# Altium PCB Slave.PcbDoc (part 2 of 11)
Units mm, origin at the board's own origin, x right, y up, seen from the top; angles counter-clockwise.
Board outline 380 x 63 mm, 4 copper layers (Top Copper, Signal Layer 1, Signal Layer 2, Bottom Copper), stack 1.586 mm thick; 256 components, 191 nets, 731 pads, 24161 vias.
Unrouted connection lines stored in the file: 14.
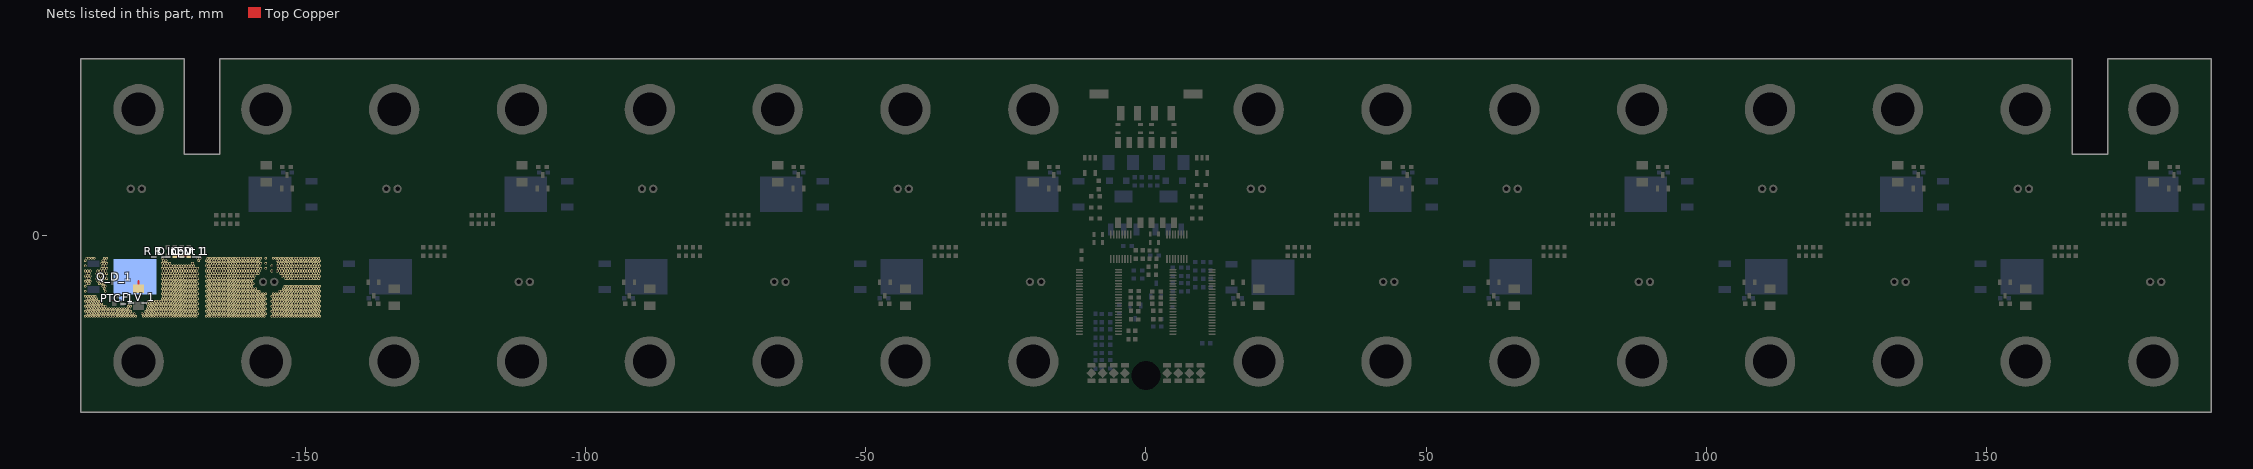
[diagram p4: the nets of this part, all layers, seen from the top]

## Via types
v1: diameter 0.45, hole 0.297, Top Copper to Bottom Copper, tented both sides, 23326 vias
v2: diameter 1, hole 0.7, Top Copper to Bottom Copper, 576 vias
v3: diameter 0.45, hole 0.2, Top Copper to Bottom Copper, 259 vias

## Nets (pads, with @x,y where several pads share a name; then routed paths per layer and width w, separated by ;. In a path a pad name is that pad's centre, name@x,y a point inside that pad or via, vN(x,y) a via of type N, cw(c..) or ccw(c..) an arc to the next point about the centre after c; other vN are vias at no path point) (continued)
F_1: C_V_1.2 F_V_1.2 PTC_1.2 Q_D_1.2 R_D_LED_1.2 R_Input_1.1 | length 3.9
  Top Copper w0.254: R_D_LED_1.2@-173.25,-3.6 R_Input_1.1@-172,-3.6 C_V_1.2@-170.75,-3.6
  Top Copper w0.305: -179.725,-8.1 -179.725,-9.48 F_V_1.2@-179.7,-9.505
  other v1: -189.2,-14.45 -189.2,-14.45 -188.75,-14.45 -188.75,-14.45 -188.3,-14.45 -188.3,-14.45 -187.85,-14.45 -187.85,-14.45 -187.4,-14.45 -187.4,-14.45 -186.95,-14.45 -186.95,-14.45 -186.5,-14.45 -186.5,-14.45 -186.05,-14.45 -186.05,-14.45 -185.6,-14.45 -185.6,-14.45 -185.15,-14.45 -185.15,-14.45 -184.7,-14.45 -184.7,-14.45 -184.25,-14.45 -184.25,-14.45 -183.8,-14.45 -183.8,-14.45 -183.35,-14.45 -183.35,-14.45 -182.9,-14.45 -182.9,-14.45 -182.45,-14.45 -182.45,-14.45 -182,-14.45 -182,-14.45 -181.55,-14.45 -181.55,-14.45 -181.1,-14.45 -181.1,-14.45 -180.65,-14.45 -180.65,-14.45 -180.2,-14.45 -180.2,-14.45 -178.85,-14.45 -178.85,-14.45 -178.4,-14.45 -178.4,-14.45 -177.95,-14.45 -177.95,-14.45 -177.5,-14.45 -177.5,-14.45 -177.05,-14.45 -177.05,-14.45 -176.6,-14.45 -176.6,-14.45 -176.15,-14.45 -176.15,-14.45 -175.7,-14.45 -175.7,-14.45 -175.25,-14.45 -175.25,-14.45 -174.8,-14.45 -174.8,-14.45 -174.35,-14.45 -174.35,-14.45 -173.9,-14.45 -173.9,-14.45 -173.45,-14.45 -173.45,-14.45 -173,-14.45 -173,-14.45 -172.55,-14.45 -172.55,-14.45 -172.1,-14.45 -172.1,-14.45 -171.65,-14.45 -171.65,-14.45 -171.2,-14.45 -171.2,-14.45 -170.75,-14.45 -170.75,-14.45 -170.3,-14.45 -170.3,-14.45 -169.85,-14.45 -169.85,-14.45 -169.4,-14.45 -169.4,-14.45 -167.6,-14.45 -167.6,-14.45 -167.15,-14.45 -167.15,-14.45 -166.7,-14.45 -166.7,-14.45 -166.25,-14.45 -166.25,-14.45 -165.8,-14.45 -165.8,-14.45 -165.35,-14.45 -165.35,-14.45 -164.9,-14.45 -164.9,-14.45 -164.45,-14.45 -164.45,-14.45 -164,-14.45 -164,-14.45 -163.55,-14.45 -163.55,-14.45 -163.1,-14.45 -163.1,-14.45 -162.65,-14.45 -162.65,-14.45 -162.2,-14.45 -162.2,-14.45 -161.75,-14.45 -161.75,-14.45 -161.3,-14.45 -161.3,-14.45 -160.85,-14.45 -160.85,-14.45 -160.4,-14.45 -160.4,-14.45 -159.95,-14.45 -159.95,-14.45 -159.5,-14.45 -159.5,-14.45 -159.05,-14.45 -159.05,-14.45 -158.6,-14.45 -158.6,-14.45 -158.15,-14.45 -158.15,-14.45 -157.7,-14.45 -157.7,-14.45 -157.25,-14.45 -157.25,-14.45 -155.9,-14.45 -155.9,-14.45 -155.45,-14.45 -155.45,-14.45 -155,-14.45 -155,-14.45 -154.55,-14.45 -154.55,-14.45 -154.1,-14.45 -154.1,-14.45 -153.65,-14.45 -153.65,-14.45 -153.2,-14.45 -153.2,-14.45 -152.75,-14.45 -152.75,-14.45 -152.3,-14.45 -152.3,-14.45 -151.85,-14.45 -151.85,-14.45 -151.4,-14.45 -151.4,-14.45 -150.95,-14.45 -150.95,-14.45 -150.5,-14.45 -150.5,-14.45 -150.05,-14.45 -150.05,-14.45 -149.6,-14.45 -149.6,-14.45 -149.15,-14.45 -149.15,-14.45 -148.7,-14.45 -148.7,-14.45 -148.25,-14.45 -148.25,-14.45 -147.8,-14.45 -147.8,-14.45 -147.35,-14.45 -147.35,-14.45 -188.975,-14 -188.975,-14 -188.525,-14 -188.525,-14 -188.075,-14 -188.075,-14 -187.625,-14 -187.625,-14 -187.175,-14 -187.175,-14 -186.725,-14 -186.725,-14 -186.275,-14 -186.275,-14 -185.825,-14 -185.825,-14 -185.375,-14 -185.375,-14 -184.925,-14 -184.925,-14 -184.475,-14 -184.475,-14 -184.025,-14 -184.025,-14 -183.575,-14 -183.575,-14 -183.125,-14 -183.125,-14 -182.675,-14 -182.675,-14 -182.225,-14 -182.225,-14 -181.775,-14 -181.775,-14 -181.325,-14 -181.325,-14 -180.875,-14 -180.875,-14 -180.425,-14 -180.425,-14 -179.075,-14 -179.075,-14 -178.625,-14 -178.625,-14 -178.175,-14 -178.175,-14 -177.725,-14 -177.725,-14 -177.275,-14 -177.275,-14 -176.825,-14 -176.825,-14 -176.375,-14 -176.375,-14 -175.925,-14 -175.925,-14 -175.475,-14 -175.475,-14 -175.025,-14 -175.025,-14 -174.575,-14 -174.575,-14 -174.125,-14 -174.125,-14 -173.675,-14 -173.675,-14 -173.225,-14 -173.225,-14 -172.775,-14 -172.775,-14 -172.325,-14 -172.325,-14 -171.875,-14 -171.875,-14 -171.425,-14 -171.425,-14 -170.975,-14 -170.975,-14 -170.525,-14 -170.525,-14 -170.075,-14 -170.075,-14 -169.625,-14 -169.625,-14 -169.175,-14 -169.175,-14 -167.375,-14 -167.375,-14 -166.925,-14 -166.925,-14 -166.475,-14 -166.475,-14 -166.025,-14 -166.025,-14 -165.575,-14 -165.575,-14 -165.125,-14 -165.125,-14 -164.675,-14 -164.675,-14 -164.225,-14 -164.225,-14 -163.775,-14 -163.775,-14 -163.325,-14 -163.325,-14 -162.875,-14 -162.875,-14 -162.425,-14 -162.425,-14 -161.975,-14 -161.975,-14 -161.525,-14 -161.525,-14 -161.075,-14 -161.075,-14 -160.625,-14 -160.625,-14 -160.175,-14 -160.175,-14 -159.725,-14 -159.725,-14 -159.275,-14 -159.275,-14 -158.825,-14 -158.825,-14 -158.375,-14 -158.375,-14 -157.925,-14 -157.925,-14 -157.475,-14 -157.475,-14 -157.025,-14 -157.025,-14 -155.675,-14 -155.675,-14 -155.225,-14 -155.225,-14 -154.775,-14 -154.775,-14 -154.325,-14 -154.325,-14 -153.875,-14 -153.875,-14 -153.425,-14 -153.425,-14 -152.975,-14 -152.975,-14 -152.525,-14 -152.525,-14 -152.075,-14 -152.075,-14 -151.625,-14 -151.625,-14 -151.175,-14 -151.175,-14 -150.725,-14 -150.725,-14 -150.275,-14 -150.275,-14 -149.825,-14 -149.825,-14 -149.375,-14 -149.375,-14 -148.925,-14 -148.925,-14 -148.475,-14 -148.475,-14 -148.025,-14 -148.025,-14 -147.575,-14 -147.575,-14 -189.2,-13.55 -189.2,-13.55 -188.75,-13.55 -188.75,-13.55 -188.3,-13.55 -188.3,-13.55 -187.85,-13.55 -187.85,-13.55 -187.4,-13.55 -187.4,-13.55 -186.95,-13.55 -186.95,-13.55 -186.5,-13.55 -186.5,-13.55 -186.05,-13.55 -186.05,-13.55 -185.6,-13.55 -185.6,-13.55 -185.15,-13.55 -185.15,-13.55 -184.7,-13.55 -184.7,-13.55 -184.25,-13.55 -184.25,-13.55 -183.8,-13.55 -183.8,-13.55 -183.35,-13.55 -183.35,-13.55 -182.9,-13.55 -182.9,-13.55 -182.45,-13.55 -182.45,-13.55 -182,-13.55 -182,-13.55 -181.55,-13.55 -181.55,-13.55 -181.1,-13.55 -181.1,-13.55 -178.4,-13.55 -178.4,-13.55 -177.95,-13.55 -177.95,-13.55 -177.5,-13.55 -177.5,-13.55 -177.05,-13.55 -177.05,-13.55 -176.6,-13.55 -176.6,-13.55 -176.15,-13.55 -176.15,-13.55 -175.7,-13.55 -175.7,-13.55 -175.25,-13.55 -175.25,-13.55 -174.8,-13.55 -174.8,-13.55 -174.35,-13.55 -174.35,-13.55 -173.9,-13.55 -173.9,-13.55 -173.45,-13.55 -173.45,-13.55 -173,-13.55 -173,-13.55 -172.55,-13.55 -172.55,-13.55 -172.1,-13.55 -172.1,-13.55 -171.65,-13.55 -171.65,-13.55 -171.2,-13.55 -171.2,-13.55 -170.75,-13.55 -170.75,-13.55 -170.3,-13.55 -170.3,-13.55 -169.85,-13.55 -169.85,-13.55 -169.4,-13.55 -169.4,-13.55 -167.6,-13.55 -167.6,-13.55 -167.15,-13.55 -167.15,-13.55 -166.7,-13.55 -166.7,-13.55 -166.25,-13.55 -166.25,-13.55 -165.8,-13.55 -165.8,-13.55 -165.35,-13.55 -165.35,-13.55 -164.9,-13.55 -164.9,-13.55 -164.45,-13.55 -164.45,-13.55 -164,-13.55 -164,-13.55 -163.55,-13.55 -163.55,-13.55 -163.1,-13.55 -163.1,-13.55 -162.65,-13.55 -162.65,-13.55 -162.2,-13.55 -162.2,-13.55 -161.75,-13.55 -161.75,-13.55 -161.3,-13.55 -161.3,-13.55 -160.85,-13.55 -160.85,-13.55 -160.4,-13.55 -160.4,-13.55 -159.95,-13.55 -159.95,-13.55 -159.5,-13.55 -159.5,-13.55 -159.05,-13.55 -159.05,-13.55 -158.6,-13.55 -158.6,-13.55 -158.15,-13.55 -158.15,-13.55 -157.7,-13.55 -157.7,-13.55 -157.25,-13.55 -157.25,-13.55 -155.9,-13.55 -155.9,-13.55 -155.45,-13.55 -155.45,-13.55 -155,-13.55 -155,-13.55 -154.55,-13.55 -154.55,-13.55 -154.1,-13.55 -154.1,-13.55 -153.65,-13.55 -153.65,-13.55 -153.2,-13.55 -153.2,-13.55 -152.75,-13.55 -152.75,-13.55 -152.3,-13.55 -152.3,-13.55 -151.85,-13.55 -151.85,-13.55 -151.4,-13.55 -151.4,-13.55 -150.95,-13.55 -150.95,-13.55 -150.5,-13.55 -150.5,-13.55 -150.05,-13.55 -150.05,-13.55 -149.6,-13.55 -149.6,-13.55 -149.15,-13.55 -149.15,-13.55 -148.7,-13.55 -148.7,-13.55 -148.25,-13.55 -148.25,-13.55 -147.8,-13.55 -147.8,-13.55 -147.35,-13.55 -147.35,-13.55 -188.975,-13.1 -188.975,-13.1 -188.525,-13.1 -188.525,-13.1 -188.075,-13.1 -188.075,-13.1 -187.625,-13.1 -187.625,-13.1 -187.175,-13.1 -187.175,-13.1 -186.725,-13.1 -186.725,-13.1 -186.275,-13.1 -186.275,-13.1 -185.825,-13.1 -185.825,-13.1 -185.375,-13.1 -185.375,-13.1 -184.925,-13.1 -184.925,-13.1 -184.475,-13.1 -184.475,-13.1 -184.025,-13.1 -184.025,-13.1 -183.575,-13.1 -183.575,-13.1 -183.125,-13.1 -183.125,-13.1 -182.675,-13.1 -182.675,-13.1 -182.225,-13.1 -182.225,-13.1 -181.775,-13.1 -181.775,-13.1 -181.325,-13.1 -181.325,-13.1 -178.175,-13.1 -178.175,-13.1 -177.725,-13.1 -177.725,-13.1 -177.275,-13.1 -177.275,-13.1 -176.825,-13.1 -176.825,-13.1 -176.375,-13.1 -176.375,-13.1 -175.925,-13.1 -175.925,-13.1 -175.475,-13.1 -175.475,-13.1 -175.025,-13.1 -175.025,-13.1 -174.575,-13.1 -174.575,-13.1 -174.125,-13.1 -174.125,-13.1 -173.675,-13.1 -173.675,-13.1 -173.225,-13.1 -173.225,-13.1 -172.775,-13.1 -172.775,-13.1 -172.325,-13.1 -172.325,-13.1 -171.875,-13.1 -171.875,-13.1 -171.425,-13.1 -171.425,-13.1 -170.975,-13.1 -170.975,-13.1 -170.525,-13.1 -170.525,-13.1 -170.075,-13.1 -170.075,-13.1 -169.625,-13.1 -169.625,-13.1 -169.175,-13.1 -169.175,-13.1 -167.375,-13.1 -167.375,-13.1 -166.925,-13.1 -166.925,-13.1 -166.475,-13.1 -166.475,-13.1 -166.025,-13.1 -166.025,-13.1 -165.575,-13.1 -165.575,-13.1 -165.125,-13.1 -165.125,-13.1 -164.675,-13.1 -164.675,-13.1 -164.225,-13.1 -164.225,-13.1 -163.775,-13.1 -163.775,-13.1 -163.325,-13.1 -163.325,-13.1 -162.875,-13.1 -162.875,-13.1 -162.425,-13.1 -162.425,-13.1 -161.975,-13.1 -161.975,-13.1 -161.525,-13.1 -161.525,-13.1 -161.075,-13.1 -161.075,-13.1 -160.625,-13.1 -160.625,-13.1 -160.175,-13.1 -160.175,-13.1 -159.725,-13.1 -159.725,-13.1 -159.275,-13.1 -159.275,-13.1 -158.825,-13.1 -158.825,-13.1 -158.375,-13.1 -158.375,-13.1 -157.925,-13.1 -157.925,-13.1 -157.475,-13.1 -157.475,-13.1 -157.025,-13.1 -157.025,-13.1 -155.675,-13.1 -155.675,-13.1 -155.225,-13.1 -155.225,-13.1 -154.775,-13.1 -154.775,-13.1 -154.325,-13.1 -154.325,-13.1 -153.875,-13.1 -153.875,-13.1 -153.425,-13.1 -153.425,-13.1 -152.975,-13.1 -152.975,-13.1 -152.525,-13.1 -152.525,-13.1 -152.075,-13.1 -152.075,-13.1 -151.625,-13.1 -151.625,-13.1 -151.175,-13.1 -151.175,-13.1 -150.725,-13.1 -150.725,-13.1 -150.275,-13.1 -150.275,-13.1 -149.825,-13.1 -149.825,-13.1 -149.375,-13.1 -149.375,-13.1 -148.925,-13.1 -148.925,-13.1 -148.475,-13.1 -148.475,-13.1 -148.025,-13.1 -148.025,-13.1 -147.575,-13.1 -147.575,-13.1 -189.2,-12.65 -189.2,-12.65 -188.75,-12.65 -188.75,-12.65 -188.3,-12.65 -188.3,-12.65 -187.85,-12.65 -187.85,-12.65 -187.4,-12.65 -187.4,-12.65 -186.95,-12.65 -186.95,-12.65 -186.5,-12.65 -186.5,-12.65 -186.05,-12.65 -186.05,-12.65 -185.6,-12.65 -185.6,-12.65 -181.55,-12.65 -181.55,-12.65 -181.1,-12.65 -181.1,-12.65 -177.95,-12.65 -177.95,-12.65 -177.5,-12.65 -177.5,-12.65 -177.05,-12.65 -177.05,-12.65 -176.6,-12.65 -176.6,-12.65 -176.15,-12.65 -176.15,-12.65 -175.7,-12.65 -175.7,-12.65 -175.25,-12.65 -175.25,-12.65 -174.8,-12.65 -174.8,-12.65 -174.35,-12.65 -174.35,-12.65 -173.9,-12.65 -173.9,-12.65 -173.45,-12.65 -173.45,-12.65 -173,-12.65 -173,-12.65 -172.55,-12.65 -172.55,-12.65 -172.1,-12.65 -172.1,-12.65 -171.65,-12.65 -171.65,-12.65 -171.2,-12.65 -171.2,-12.65 -170.75,-12.65 -170.75,-12.65 -170.3,-12.65 -170.3,-12.65 -169.85,-12.65 -169.85,-12.65 -169.4,-12.65 -169.4,-12.65 -167.6,-12.65 -167.6,-12.65 -167.15,-12.65 -167.15,-12.65 -166.7,-12.65 -166.7,-12.65 -166.25,-12.65 -166.25,-12.65 -165.8,-12.65 -165.8,-12.65 -165.35,-12.65 -165.35,-12.65 -164.9,-12.65 -164.9,-12.65 -164.45,-12.65 -164.45,-12.65 -164,-12.65 -164,-12.65 -163.55,-12.65 -163.55,-12.65 -163.1,-12.65 -163.1,-12.65 -162.65,-12.65 -162.65,-12.65 -162.2,-12.65 -162.2,-12.65 -161.75,-12.65 -161.75,-12.65 -161.3,-12.65 -161.3,-12.65 -160.85,-12.65 -160.85,-12.65 -160.4,-12.65 -160.4,-12.65 -159.95,-12.65 -159.95,-12.65 -159.5,-12.65 -159.5,-12.65 -159.05,-12.65 -159.05,-12.65 -158.6,-12.65 -158.6,-12.65 -158.15,-12.65 -158.15,-12.65 -157.7,-12.65 -157.7,-12.65 -157.25,-12.65 -157.25,-12.65 -155.9,-12.65 -155.9,-12.65 -155.45,-12.65 -155.45,-12.65 -155,-12.65 -155,-12.65 -154.55,-12.65 -154.55,-12.65 -154.1,-12.65 -154.1,-12.65 -153.65,-12.65 -153.65,-12.65 -153.2,-12.65 -153.2,-12.65 -152.75,-12.65 -152.75,-12.65 -152.3,-12.65 -152.3,-12.65 -151.85,-12.65 -151.85,-12.65 -151.4,-12.65 -151.4,-12.65 -150.95,-12.65 -150.95,-12.65 -150.5,-12.65 -150.5,-12.65 -150.05,-12.65 -150.05,-12.65 -149.6,-12.65 -149.6,-12.65 -149.15,-12.65 -149.15,-12.65 -148.7,-12.65 -148.7,-12.65 -148.25,-12.65 -148.25,-12.65 -147.8,-12.65 -147.8,-12.65 -147.35,-12.65 -147.35,-12.65 -188.975,-12.2 -188.975,-12.2 -188.525,-12.2 -188.525,-12.2 -188.075,-12.2 -188.075,-12.2 -187.625,-12.2 -187.625,-12.2 -187.175,-12.2 -187.175,-12.2 -186.725,-12.2 -186.725,-12.2 -186.275,-12.2 -186.275,-12.2 -181.325,-12.2 -181.325,-12.2 -178.175,-12.2 -178.175,-12.2 -177.725,-12.2 -177.725,-12.2 -177.275,-12.2 -177.275,-12.2 -176.825,-12.2 -176.825,-12.2 -176.375,-12.2 -176.375,-12.2 -175.925,-12.2 -175.925,-12.2 -175.475,-12.2 -175.475,-12.2 -175.025,-12.2 -175.025,-12.2 -174.575,-12.2 -174.575,-12.2 -174.125,-12.2 -174.125,-12.2 -173.675,-12.2 -173.675,-12.2 -173.225,-12.2 -173.225,-12.2 -172.775,-12.2 -172.775,-12.2 -172.325,-12.2 -172.325,-12.2 -171.875,-12.2 -171.875,-12.2 -171.425,-12.2 -171.425,-12.2 -170.975,-12.2 -170.975,-12.2 -170.525,-12.2 -170.525,-12.2 -170.075,-12.2 -170.075,-12.2 -169.625,-12.2 -169.625,-12.2 -169.175,-12.2 -169.175,-12.2 -167.375,-12.2 -167.375,-12.2 -166.925,-12.2 -166.925,-12.2 -166.475,-12.2 -166.475,-12.2 -166.025,-12.2 -166.025,-12.2 -165.575,-12.2 -165.575,-12.2 -165.125,-12.2 -165.125,-12.2 -164.675,-12.2 -164.675,-12.2 -164.225,-12.2 -164.225,-12.2 -163.775,-12.2 -163.775,-12.2 -163.325,-12.2 -163.325,-12.2 -162.875,-12.2 -162.875,-12.2 -162.425,-12.2 -162.425,-12.2 -161.975,-12.2 -161.975,-12.2 -161.525,-12.2 -161.525,-12.2 -161.075,-12.2 -161.075,-12.2 -160.625,-12.2 -160.625,-12.2 -160.175,-12.2 -160.175,-12.2 -159.725,-12.2 -159.725,-12.2 -159.275,-12.2 -159.275,-12.2 -158.825,-12.2 -158.825,-12.2 -158.375,-12.2 -158.375,-12.2 -157.925,-12.2 -157.925,-12.2 -157.475,-12.2 -157.475,-12.2 -157.025,-12.2 -157.025,-12.2 -155.675,-12.2 -155.675,-12.2 -155.225,-12.2 -155.225,-12.2 -154.775,-12.2 -154.775,-12.2 -154.325,-12.2 -154.325,-12.2 -153.875,-12.2 -153.875,-12.2 -153.425,-12.2 -153.425,-12.2 -152.975,-12.2 -152.975,-12.2 -152.525,-12.2 -152.525,-12.2 -152.075,-12.2 -152.075,-12.2 -151.625,-12.2 -151.625,-12.2 -151.175,-12.2 -151.175,-12.2 -150.725,-12.2 -150.725,-12.2 -150.275,-12.2 -150.275,-12.2 -149.825,-12.2 -149.825,-12.2 -149.375,-12.2 -149.375,-12.2 -148.925,-12.2 -148.925,-12.2 -148.475,-12.2 -148.475,-12.2 -148.025,-12.2 -148.025,-12.2 -147.575,-12.2 -147.575,-12.2 -189.2,-11.75 -189.2,-11.75 -188.75,-11.75 -188.75,-11.75 -188.3,-11.75 -188.3,-11.75 -187.85,-11.75 -187.85,-11.75 -187.4,-11.75 -187.4,-11.75 -186.95,-11.75 -186.95,-11.75 -186.5,-11.75 -186.5,-11.75 -181.1,-11.75 -181.1,-11.75 -177.95,-11.75 -177.95,-11.75 -177.5,-11.75 -177.5,-11.75 -177.05,-11.75 -177.05,-11.75 -176.6,-11.75 -176.6,-11.75 -176.15,-11.75 -176.15,-11.75 -175.7,-11.75 -175.7,-11.75 -175.25,-11.75 -175.25,-11.75 -174.8,-11.75 -174.8,-11.75 -174.35,-11.75 -174.35,-11.75 -173.9,-11.75 -173.9,-11.75 -173.45,-11.75 -173.45,-11.75 -173,-11.75 -173,-11.75 -172.55,-11.75 -172.55,-11.75 -172.1,-11.75 -172.1,-11.75 -171.65,-11.75 -171.65,-11.75 -171.2,-11.75 -171.2,-11.75 -170.75,-11.75 -170.75,-11.75 -170.3,-11.75 -170.3,-11.75 -169.85,-11.75 -169.85,-11.75 -169.4,-11.75 -169.4,-11.75 -167.6,-11.75 -167.6,-11.75 -167.15,-11.75 -167.15,-11.75 -166.7,-11.75 -166.7,-11.75 -166.25,-11.75 -166.25,-11.75 -165.8,-11.75 -165.8,-11.75 -165.35,-11.75 -165.35,-11.75 -164.9,-11.75 -164.9,-11.75 -164.45,-11.75 -164.45,-11.75 -164,-11.75 -164,-11.75 -163.55,-11.75 -163.55,-11.75 -163.1,-11.75 -163.1,-11.75 -162.65,-11.75 -162.65,-11.75 -162.2,-11.75 -162.2,-11.75 -161.75,-11.75 -161.75,-11.75 -161.3,-11.75 -161.3,-11.75 -160.85,-11.75 -160.85,-11.75 -160.4,-11.75 -160.4,-11.75 -159.95,-11.75 -159.95,-11.75 -159.5,-11.75 -159.5,-11.75 -159.05,-11.75 -159.05,-11.75 -158.6,-11.75 -158.6,-11.75 -158.15,-11.75 -158.15,-11.75 -157.7,-11.75 -157.7,-11.75 -157.25,-11.75 -157.25,-11.75 -155.9,-11.75 -155.9,-11.75 -155.45,-11.75 -155.45,-11.75 -155,-11.75 -155,-11.75 -154.55,-11.75 -154.55,-11.75 -154.1,-11.75 -154.1,-11.75 -153.65,-11.75 -153.65,-11.75 -153.2,-11.75 -153.2,-11.75 -152.75,-11.75 -152.75,-11.75 -152.3,-11.75 -152.3,-11.75 -151.85,-11.75 -151.85,-11.75 -151.4,-11.75 -151.4,-11.75 -150.95,-11.75 -150.95,-11.75 -150.5,-11.75 -150.5,-11.75 -150.05,-11.75 -150.05,-11.75 -149.6,-11.75 -149.6,-11.75 -149.15,-11.75 -149.15,-11.75 -148.7,-11.75 -148.7,-11.75 -148.25,-11.75 -148.25,-11.75 -147.8,-11.75 -147.8,-11.75 -147.35,-11.75 -147.35,-11.75 -188.975,-11.3 -188.975,-11.3 -188.525,-11.3 -188.525,-11.3 -188.075,-11.3 -188.075,-11.3 -187.625,-11.3 -187.625,-11.3 -187.175,-11.3 -187.175,-11.3 -175.475,-11.3 -175.475,-11.3 -175.025,-11.3 -175.025,-11.3 -174.575,-11.3 -174.575,-11.3 -174.125,-11.3 -174.125,-11.3 -173.675,-11.3 -173.675,-11.3 -173.225,-11.3 -173.225,-11.3 -172.775,-11.3 -172.775,-11.3 -172.325,-11.3 -172.325,-11.3 -171.875,-11.3 -171.875,-11.3 -171.425,-11.3 -171.425,-11.3 -170.975,-11.3 -170.975,-11.3 -170.525,-11.3 -170.525,-11.3 -170.075,-11.3 -170.075,-11.3 -169.625,-11.3 -169.625,-11.3 -169.175,-11.3 -169.175,-11.3 -167.375,-11.3 -167.375,-11.3 -166.925,-11.3 -166.925,-11.3 -166.475,-11.3 -166.475,-11.3 -166.025,-11.3 -166.025,-11.3 -165.575,-11.3 -165.575,-11.3 -165.125,-11.3 -165.125,-11.3 -164.675,-11.3 -164.675,-11.3 -164.225,-11.3 -164.225,-11.3 -163.775,-11.3 -163.775,-11.3 -163.325,-11.3 -163.325,-11.3 -162.875,-11.3 -162.875,-11.3 -162.425,-11.3 -162.425,-11.3 -161.975,-11.3 -161.975,-11.3 -161.525,-11.3 -161.525,-11.3 -161.075,-11.3 -161.075,-11.3 -160.625,-11.3 -160.625,-11.3 -160.175,-11.3 -160.175,-11.3 -159.725,-11.3 -159.725,-11.3 -159.275,-11.3 -159.275,-11.3 -158.825,-11.3 -158.825,-11.3 -158.375,-11.3 -158.375,-11.3 -157.925,-11.3 -157.925,-11.3 -157.475,-11.3 -157.475,-11.3 -157.025,-11.3 -157.025,-11.3 -155.675,-11.3 -155.675,-11.3 -155.225,-11.3 -155.225,-11.3 -154.775,-11.3 -154.775,-11.3 -154.325,-11.3 -154.325,-11.3 -153.875,-11.3 -153.875,-11.3 -153.425,-11.3 -153.425,-11.3 -152.975,-11.3 -152.975,-11.3 -152.525,-11.3 -152.525,-11.3 -152.075,-11.3 -152.075,-11.3 -151.625,-11.3 -151.625,-11.3 -151.175,-11.3 -151.175,-11.3 -150.725,-11.3 -150.725,-11.3 -150.275,-11.3 -150.275,-11.3 -149.825,-11.3 -149.825,-11.3 -149.375,-11.3 -149.375,-11.3 -148.925,-11.3 -148.925,-11.3 -148.475,-11.3 -148.475,-11.3 -148.025,-11.3 -148.025,-11.3 -147.575,-11.3 -147.575,-11.3 -189.2,-10.85 -189.2,-10.85 -188.75,-10.85 -188.75,-10.85 -188.3,-10.85 -188.3,-10.85 -187.85,-10.85 -187.85,-10.85 -187.4,-10.85 -187.4,-10.85 -175.25,-10.85 -175.25,-10.85 -174.8,-10.85 -174.8,-10.85 -174.35,-10.85 -174.35,-10.85 -173.9,-10.85 -173.9,-10.85 -173.45,-10.85 -173.45,-10.85 -173,-10.85 -173,-10.85 -172.55,-10.85 -172.55,-10.85 -172.1,-10.85 -172.1,-10.85 -171.65,-10.85 -171.65,-10.85 -171.2,-10.85 -171.2,-10.85 -170.75,-10.85 -170.75,-10.85 -170.3,-10.85 -170.3,-10.85 -169.85,-10.85 -169.85,-10.85 -169.4,-10.85 -169.4,-10.85 -167.6,-10.85 -167.6,-10.85 -167.15,-10.85 -167.15,-10.85 -166.7,-10.85 -166.7,-10.85 -166.25,-10.85 -166.25,-10.85 -165.8,-10.85 -165.8,-10.85 -165.35,-10.85 -165.35,-10.85 -164.9,-10.85 -164.9,-10.85 -164.45,-10.85 -164.45,-10.85 -164,-10.85 -164,-10.85 -163.55,-10.85 -163.55,-10.85 -163.1,-10.85 -163.1,-10.85 -162.65,-10.85 -162.65,-10.85 -162.2,-10.85 -162.2,-10.85 -161.75,-10.85 -161.75,-10.85 -161.3,-10.85 -161.3,-10.85 -160.85,-10.85 -160.85,-10.85 -160.4,-10.85 -160.4,-10.85 -159.95,-10.85 -159.95,-10.85 -159.5,-10.85 -159.5,-10.85 -159.05,-10.85 -159.05,-10.85 -158.6,-10.85 -158.6,-10.85 -158.15,-10.85 -158.15,-10.85 -157.7,-10.85 -157.7,-10.85 -157.25,-10.85 -157.25,-10.85 -155.9,-10.85 -155.9,-10.85 -155.45,-10.85 -155.45,-10.85 -155,-10.85 -155,-10.85 -154.55,-10.85 -154.55,-10.85 -154.1,-10.85 -154.1,-10.85 -153.65,-10.85 -153.65,-10.85 -153.2,-10.85 -153.2,-10.85 -152.75,-10.85 -152.75,-10.85 -152.3,-10.85 -152.3,-10.85 -151.85,-10.85 -151.85,-10.85 -151.4,-10.85 -151.4,-10.85 -150.95,-10.85 -150.95,-10.85 -150.5,-10.85 -150.5,-10.85 -150.05,-10.85 -150.05,-10.85 -149.6,-10.85 -149.6,-10.85 -149.15,-10.85 -149.15,-10.85 -148.7,-10.85 -148.7,-10.85 -148.25,-10.85 -148.25,-10.85 -147.8,-10.85 -147.8,-10.85 -147.35,-10.85 -147.35,-10.85 -175.475,-10.4 -175.475,-10.4 -175.025,-10.4 -175.025,-10.4 -174.575,-10.4 -174.575,-10.4 -174.125,-10.4 -174.125,-10.4 -173.675,-10.4 -173.675,-10.4 -173.225,-10.4 -173.225,-10.4 -172.775,-10.4 -172.775,-10.4 -172.325,-10.4 -172.325,-10.4 -171.875,-10.4 -171.875,-10.4 -171.425,-10.4 -171.425,-10.4 -170.975,-10.4 -170.975,-10.4 -170.525,-10.4 -170.525,-10.4 -170.075,-10.4 -170.075,-10.4 -169.625,-10.4 -169.625,-10.4 -169.175,-10.4 -169.175,-10.4 -167.375,-10.4 -167.375,-10.4 -166.925,-10.4 -166.925,-10.4 -166.475,-10.4 -166.475,-10.4 -166.025,-10.4 -166.025,-10.4 -165.575,-10.4 -165.575,-10.4 -165.125,-10.4 -165.125,-10.4 -164.675,-10.4 -164.675,-10.4 -164.225,-10.4 -164.225,-10.4 -163.775,-10.4 -163.775,-10.4 -163.325,-10.4 -163.325,-10.4 -162.875,-10.4 -162.875,-10.4 -162.425,-10.4 -162.425,-10.4 -161.975,-10.4 -161.975,-10.4 -161.525,-10.4 -161.525,-10.4 -161.075,-10.4 -161.075,-10.4 -160.625,-10.4 -160.625,-10.4 -160.175,-10.4 -160.175,-10.4 -159.725,-10.4 -159.725,-10.4 -159.275,-10.4 -159.275,-10.4 -158.825,-10.4 -158.825,-10.4 -158.375,-10.4 -158.375,-10.4 -157.925,-10.4 -157.925,-10.4 -157.475,-10.4 -157.475,-10.4 -157.025,-10.4 -157.025,-10.4 -155.675,-10.4 -155.675,-10.4 -155.225,-10.4 -155.225,-10.4 -154.775,-10.4 -154.775,-10.4 -154.325,-10.4 -154.325,-10.4 -153.875,-10.4 -153.875,-10.4 -153.425,-10.4 -153.425,-10.4 -152.975,-10.4 -152.975,-10.4 -152.525,-10.4 -152.525,-10.4 -152.075,-10.4 -152.075,-10.4 -151.625,-10.4 -151.625,-10.4 -151.175,-10.4 -151.175,-10.4 -150.725,-10.4 -150.725,-10.4 -150.275,-10.4 -150.275,-10.4 -149.825,-10.4 -149.825,-10.4 -149.375,-10.4 -149.375,-10.4 -148.925,-10.4 -148.925,-10.4 -148.475,-10.4 -148.475,-10.4 -148.025,-10.4 -148.025,-10.4 -147.575,-10.4 -147.575,-10.4 -189.2,-9.95 -189.2,-9.95 -185.6,-9.95 -185.6,-9.95 -175.25,-9.95 -175.25,-9.95 -174.8,-9.95 -174.8,-9.95 -174.35,-9.95 -174.35,-9.95 -173.9,-9.95 -173.9,-9.95 -173.45,-9.95 -173.45,-9.95 -173,-9.95 -173,-9.95 -172.55,-9.95 -172.55,-9.95 -172.1,-9.95 -172.1,-9.95 -171.65,-9.95 -171.65,-9.95 -171.2,-9.95 -171.2,-9.95 -170.75,-9.95 -170.75,-9.95 -170.3,-9.95 -170.3,-9.95 -169.85,-9.95 -169.85,-9.95 -169.4,-9.95 -169.4,-9.95 -167.6,-9.95 -167.6,-9.95 -167.15,-9.95 -167.15,-9.95 -166.7,-9.95 -166.7,-9.95 -166.25,-9.95 -166.25,-9.95 -165.8,-9.95 -165.8,-9.95 -165.35,-9.95 -165.35,-9.95 -164.9,-9.95 -164.9,-9.95 -164.45,-9.95 -164.45,-9.95 -164,-9.95 -164,-9.95 -163.55,-9.95 -163.55,-9.95 -163.1,-9.95 -163.1,-9.95 -162.65,-9.95 -162.65,-9.95 -162.2,-9.95 -162.2,-9.95 -161.75,-9.95 -161.75,-9.95 -161.3,-9.95 -161.3,-9.95 -160.85,-9.95 -160.85,-9.95 -160.4,-9.95 -160.4,-9.95 -159.95,-9.95 -159.95,-9.95 -159.5,-9.95 -159.5,-9.95 -159.05,-9.95 -159.05,-9.95 -158.6,-9.95 -158.15,-9.95 -154.55,-9.95 -154.1,-9.95 -154.1,-9.95 -153.65,-9.95 -153.65,-9.95 -153.2,-9.95 -153.2,-9.95 -152.75,-9.95 -152.75,-9.95 -152.3,-9.95 -152.3,-9.95 -151.85,-9.95 -151.85,-9.95 -151.4,-9.95 -151.4,-9.95 -150.95,-9.95 -150.95,-9.95 -150.5,-9.95 -150.5,-9.95 -150.05,-9.95 -150.05,-9.95 -149.6,-9.95 -149.6,-9.95 -149.15,-9.95 -149.15,-9.95 -148.7,-9.95 -148.7,-9.95 -148.25,-9.95 -148.25,-9.95 -147.8,-9.95 -147.8,-9.95 -147.35,-9.95 -147.35,-9.95 -185.825,-9.5 -185.825,-9.5 -175.475,-9.5 -175.475,-9.5 -175.025,-9.5 -175.025,-9.5 -174.575,-9.5 -174.575,-9.5 -174.125,-9.5 -174.125,-9.5 -173.675,-9.5 -173.675,-9.5 -173.225,-9.5 -173.225,-9.5 -172.775,-9.5 -172.775,-9.5 -172.325,-9.5 -172.325,-9.5 -171.875,-9.5 -171.875,-9.5 -171.425,-9.5 -171.425,-9.5 -170.975,-9.5 -170.975,-9.5 -170.525,-9.5 -170.525,-9.5 -170.075,-9.5 -170.075,-9.5 -169.625,-9.5 -169.625,-9.5 -169.175,-9.5 -169.175,-9.5 -167.375,-9.5 -167.375,-9.5 -166.925,-9.5 -166.925,-9.5 -166.475,-9.5 -166.475,-9.5 -166.025,-9.5 -166.025,-9.5 -165.575,-9.5 -165.575,-9.5 -165.125,-9.5 -165.125,-9.5 -164.675,-9.5 -164.675,-9.5 -164.225,-9.5 -164.225,-9.5 -163.775,-9.5 -163.775,-9.5 -163.325,-9.5 -163.325,-9.5 -162.875,-9.5 -162.875,-9.5 -162.425,-9.5 -162.425,-9.5 -161.975,-9.5 -161.975,-9.5 -161.525,-9.5 -161.525,-9.5 -161.075,-9.5 -161.075,-9.5 -160.625,-9.5 -160.625,-9.5 -160.175,-9.5 -160.175,-9.5 -159.725,-9.5 -159.725,-9.5 -159.275,-9.5 -159.275,-9.5 -158.825,-9.5 -153.875,-9.5 -153.875,-9.5 -153.425,-9.5 -153.425,-9.5 -152.975,-9.5 -152.975,-9.5 -152.525,-9.5 -152.525,-9.5 -152.075,-9.5 -152.075,-9.5 -151.625,-9.5 -151.625,-9.5 -151.175,-9.5 -151.175,-9.5 -150.725,-9.5 -150.725,-9.5 -150.275,-9.5 -150.275,-9.5 -149.825,-9.5 -149.825,-9.5 -149.375,-9.5 -149.375,-9.5 -148.925,-9.5 -148.925,-9.5 -148.475,-9.5 -148.475,-9.5 -148.025,-9.5 -148.025,-9.5 -147.575,-9.5 -147.575,-9.5 -189.2,-9.05 -189.2,-9.05 -186.05,-9.05 -186.05,-9.05 -185.6,-9.05 -185.6,-9.05 -175.25,-9.05 -175.25,-9.05 -174.8,-9.05 -174.8,-9.05 -174.35,-9.05 -174.35,-9.05 -173.9,-9.05 -173.9,-9.05 -173.45,-9.05 -173.45,-9.05 -173,-9.05 -173,-9.05 -172.55,-9.05 -172.55,-9.05 -172.1,-9.05 -172.1,-9.05 -171.65,-9.05 -171.65,-9.05 -171.2,-9.05 -171.2,-9.05 -170.75,-9.05 -170.75,-9.05 -170.3,-9.05 -170.3,-9.05 -169.85,-9.05 -169.85,-9.05 -169.4,-9.05 -169.4,-9.05 -167.6,-9.05 -167.6,-9.05 -167.15,-9.05 -167.15,-9.05 -166.7,-9.05 -166.7,-9.05 -166.25,-9.05 -166.25,-9.05 -165.8,-9.05 -165.8,-9.05 -165.35,-9.05 -165.35,-9.05 -164.9,-9.05 -164.9,-9.05 -164.45,-9.05 -164.45,-9.05 -164,-9.05 -164,-9.05 -163.55,-9.05 -163.55,-9.05 -163.1,-9.05 -163.1,-9.05 -162.65,-9.05 -162.65,-9.05 -162.2,-9.05 -162.2,-9.05 -161.75,-9.05 -161.75,-9.05 -161.3,-9.05 -161.3,-9.05 -160.85,-9.05 -160.85,-9.05 -160.4,-9.05 -160.4,-9.05 -159.95,-9.05 -159.95,-9.05 -159.5,-9.05 -159.5,-9.05 -153.65,-9.05 -153.65,-9.05 -153.2,-9.05 -153.2,-9.05 -152.75,-9.05 -152.75,-9.05 -152.3,-9.05 -152.3,-9.05 -151.85,-9.05 -151.85,-9.05 -151.4,-9.05 -151.4,-9.05 -150.95,-9.05 -150.95,-9.05 -150.5,-9.05 -150.5,-9.05 -150.05,-9.05 -150.05,-9.05 -149.6,-9.05 -149.6,-9.05 -149.15,-9.05 -149.15,-9.05 -148.7,-9.05 -148.7,-9.05 -148.25,-9.05 -148.25,-9.05 -147.8,-9.05 -147.8,-9.05 -147.35,-9.05 -147.35,-9.05 -188.975,-8.6 -188.975,-8.6 -188.525,-8.6 -188.525,-8.6 -186.725,-8.6 -186.725,-8.6 -186.275,-8.6 -186.275,-8.6 -185.825,-8.6 -185.825,-8.6 -175.475,-8.6 -175.475,-8.6 -175.025,-8.6 -175.025,-8.6 -174.575,-8.6 -174.575,-8.6 -174.125,-8.6 -174.125,-8.6 -173.675,-8.6 -173.675,-8.6 -173.225,-8.6 -173.225,-8.6 -172.775,-8.6 -172.775,-8.6 -172.325,-8.6 -172.325,-8.6 -171.875,-8.6 -171.875,-8.6 -171.425,-8.6 -171.425,-8.6 -170.975,-8.6 -170.975,-8.6 -170.525,-8.6 -170.525,-8.6 -170.075,-8.6 -170.075,-8.6 -169.625,-8.6 -169.625,-8.6 -169.175,-8.6 -169.175,-8.6 -167.375,-8.6 -167.375,-8.6 -166.925,-8.6 -166.925,-8.6 -166.475,-8.6 -166.475,-8.6 -166.025,-8.6 -166.025,-8.6 -165.575,-8.6 -165.575,-8.6 -165.125,-8.6 -165.125,-8.6 -164.675,-8.6 -164.675,-8.6 -164.225,-8.6 -164.225,-8.6 -163.775,-8.6 -163.775,-8.6 -163.325,-8.6 -163.325,-8.6 -162.875,-8.6 -162.875,-8.6 -162.425,-8.6 -162.425,-8.6 -161.975,-8.6 -161.975,-8.6 -161.525,-8.6 -161.525,-8.6 -161.075,-8.6 -161.075,-8.6 -160.625,-8.6 -160.625,-8.6 -160.175,-8.6 -160.175,-8.6 -159.725,-8.6 -159.725,-8.6 -159.275,-8.6 -189.2,-8.15 -189.2,-8.15 -188.75,-8.15 -188.75,-8.15 -188.3,-8.15 -188.3,-8.15 -186.95,-8.15 -186.95,-8.15 -186.5,-8.15 -186.5,-8.15 -186.05,-8.15 -186.05,-8.15 -175.25,-8.15 -175.25,-8.15 -174.8,-8.15 -174.8,-8.15 -174.35,-8.15 -174.35,-8.15 -173.9,-8.15 -173.9,-8.15 -173.45,-8.15 -173.45,-8.15 -173,-8.15 -173,-8.15 -172.55,-8.15 -172.55,-8.15 -172.1,-8.15 -172.1,-8.15 -171.65,-8.15 -171.65,-8.15 -171.2,-8.15 -171.2,-8.15 -170.75,-8.15 -170.75,-8.15 -170.3,-8.15 -170.3,-8.15 -169.85,-8.15 -169.85,-8.15 -169.4,-8.15 -169.4,-8.15 -167.6,-8.15 -167.6,-8.15 -167.15,-8.15 -167.15,-8.15 -166.7,-8.15 -166.7,-8.15 -166.25,-8.15 -166.25,-8.15 -165.8,-8.15 -165.8,-8.15 -165.35,-8.15 -165.35,-8.15 -164.9,-8.15 -164.9,-8.15 -164.45,-8.15 -164.45,-8.15 -164,-8.15 -164,-8.15 -163.55,-8.15 -163.55,-8.15 -163.1,-8.15 -163.1,-8.15 -162.65,-8.15 -162.65,-8.15 -162.2,-8.15 -162.2,-8.15 -161.75,-8.15 -161.75,-8.15 -161.3,-8.15 -161.3,-8.15 -160.85,-8.15 -160.85,-8.15 -160.4,-8.15 -160.4,-8.15 -159.95,-8.15 -159.95,-8.15 -159.5,-8.15 -159.5,-8.15 -188.975,-7.7 -188.975,-7.7 -188.525,-7.7 -188.525,-7.7 -187.175,-7.7 -187.175,-7.7 -186.725,-7.7 -186.725,-7.7 -186.275,-7.7 -186.275,-7.7 -185.825,-7.7 -185.825,-7.7 -185.375,-7.7 -185.375,-7.7 -175.475,-7.7 -175.475,-7.7 -175.025,-7.7 -175.025,-7.7 -174.575,-7.7 -174.575,-7.7 -174.125,-7.7 -174.125,-7.7 -173.675,-7.7 -173.675,-7.7 -173.225,-7.7 -173.225,-7.7 -172.775,-7.7 -172.775,-7.7 -172.325,-7.7 -172.325,-7.7 -171.875,-7.7 -171.875,-7.7 -171.425,-7.7 -171.425,-7.7 -170.975,-7.7 -170.975,-7.7 -170.525,-7.7 -170.525,-7.7 -170.075,-7.7 -170.075,-7.7 -169.625,-7.7 -169.625,-7.7 -169.175,-7.7 -169.175,-7.7 -167.375,-7.7 -167.375,-7.7 -166.925,-7.7 -166.925,-7.7 -166.475,-7.7 -166.475,-7.7 -166.025,-7.7 -166.025,-7.7 -165.575,-7.7 -165.575,-7.7 -165.125,-7.7 -165.125,-7.7 -164.675,-7.7 -164.675,-7.7 -164.225,-7.7 -164.225,-7.7 -163.775,-7.7 -163.775,-7.7 -163.325,-7.7 -163.325,-7.7 -162.875,-7.7 -162.875,-7.7 -162.425,-7.7 -162.425,-7.7 -161.975,-7.7 -161.975,-7.7 -161.525,-7.7 -161.525,-7.7 -161.075,-7.7 -161.075,-7.7 -160.625,-7.7 -160.625,-7.7 -160.175,-7.7 -160.175,-7.7 -159.725,-7.7 -159.725,-7.7 -159.275,-7.7 -153.425,-7.7 -153.425,-7.7 -152.975,-7.7 -152.975,-7.7 -152.525,-7.7 -152.525,-7.7 -152.075,-7.7 -152.075,-7.7 -151.625,-7.7 -151.625,-7.7 -151.175,-7.7 -151.175,-7.7 -150.725,-7.7 -150.725,-7.7 -150.275,-7.7 -150.275,-7.7 -149.825,-7.7 -149.825,-7.7 -149.375,-7.7 -149.375,-7.7 -148.925,-7.7 -148.925,-7.7 -148.475,-7.7 -148.475,-7.7 -148.025,-7.7 -148.025,-7.7 -147.575,-7.7 -147.575,-7.7 -189.2,-7.25 -189.2,-7.25 -188.75,-7.25 -188.75,-7.25 -188.3,-7.25 -188.3,-7.25 -186.95,-7.25 -186.95,-7.25 -186.5,-7.25 -186.5,-7.25 -186.05,-7.25 -186.05,-7.25 -185.6,-7.25 -185.6,-7.25 -175.25,-7.25 -175.25,-7.25 -174.8,-7.25 -174.8,-7.25 -174.35,-7.25 -174.35,-7.25 -173.9,-7.25 -173.9,-7.25 -173.45,-7.25 -173.45,-7.25 -173,-7.25 -173,-7.25 -172.55,-7.25 -172.55,-7.25 -172.1,-7.25 -172.1,-7.25 -171.65,-7.25 -171.65,-7.25 -171.2,-7.25 -171.2,-7.25 -170.75,-7.25 -170.75,-7.25 -170.3,-7.25 -170.3,-7.25 -169.85,-7.25 -169.85,-7.25 -169.4,-7.25 -169.4,-7.25 -167.6,-7.25 -167.6,-7.25 -167.15,-7.25 -167.15,-7.25 -166.7,-7.25 -166.7,-7.25 -166.25,-7.25 -166.25,-7.25 -165.8,-7.25 -165.8,-7.25 -165.35,-7.25 -165.35,-7.25 -164.9,-7.25 -164.9,-7.25 -164.45,-7.25 -164.45,-7.25 -164,-7.25 -164,-7.25 -163.55,-7.25 -163.55,-7.25 -163.1,-7.25 -163.1,-7.25 -162.65,-7.25 -162.65,-7.25 -162.2,-7.25 -162.2,-7.25 -161.75,-7.25 -161.75,-7.25 -161.3,-7.25 -161.3,-7.25 -160.85,-7.25 -160.85,-7.25 -160.4,-7.25 -160.4,-7.25 -159.95,-7.25 -159.95,-7.25 -159.5,-7.25 -159.5,-7.25 -159.05,-7.25 -154.1,-7.25 -153.65,-7.25 -153.65,-7.25 -153.2,-7.25 -153.2,-7.25 -152.75,-7.25 -152.75,-7.25 -152.3,-7.25 -152.3,-7.25 -151.85,-7.25 -151.85,-7.25 -151.4,-7.25 -151.4,-7.25 -150.95,-7.25 -150.95,-7.25 -150.5,-7.25 -150.5,-7.25 -150.05,-7.25 -150.05,-7.25 -149.6,-7.25 -149.6,-7.25 -149.15,-7.25 -149.15,-7.25 -148.7,-7.25 -148.7,-7.25 -148.25,-7.25 -148.25,-7.25 -147.8,-7.25 -147.8,-7.25 -147.35,-7.25 -147.35,-7.25 -188.975,-6.8 -188.975,-6.8 -188.525,-6.8 -188.525,-6.8 -187.175,-6.8 -187.175,-6.8 -186.725,-6.8 -186.725,-6.8 -186.275,-6.8 -186.275,-6.8 -185.825,-6.8 -185.825,-6.8 -185.375,-6.8 -185.375,-6.8 -175.475,-6.8 -175.475,-6.8 -175.025,-6.8 -175.025,-6.8 -174.575,-6.8 -174.575,-6.8 -174.125,-6.8 -174.125,-6.8 -173.675,-6.8 -173.675,-6.8 -173.225,-6.8 -173.225,-6.8 -172.775,-6.8 -172.775,-6.8 -172.325,-6.8 -172.325,-6.8 -171.875,-6.8 -171.875,-6.8 -171.425,-6.8 -171.425,-6.8 -170.975,-6.8 -170.975,-6.8 -170.525,-6.8 -170.525,-6.8 -170.075,-6.8 -170.075,-6.8 -169.625,-6.8 -169.625,-6.8 -169.175,-6.8 -169.175,-6.8 -167.375,-6.8 -167.375,-6.8 -166.925,-6.8 -166.925,-6.8 -166.475,-6.8 -166.475,-6.8 -166.025,-6.8 -166.025,-6.8 -165.575,-6.8 -165.575,-6.8 -165.125,-6.8 -165.125,-6.8 -164.675,-6.8 -164.675,-6.8 -164.225,-6.8 -164.225,-6.8 -163.775,-6.8 -163.775,-6.8 -163.325,-6.8 -163.325,-6.8 -162.875,-6.8 -162.875,-6.8 -162.425,-6.8 -162.425,-6.8 -161.975,-6.8 -161.975,-6.8 -161.525,-6.8 -161.525,-6.8 -161.075,-6.8 -161.075,-6.8 -160.625,-6.8 -160.625,-6.8 -160.175,-6.8 -160.175,-6.8 -159.725,-6.8 -159.725,-6.8 -159.275,-6.8 -159.275,-6.8 -158.825,-6.8 -158.825,-6.8 -158.375,-6.8 -154.325,-6.8 -153.875,-6.8 -153.875,-6.8 -153.425,-6.8 -153.425,-6.8 -152.975,-6.8 -152.975,-6.8 -152.525,-6.8 -152.525,-6.8 -152.075,-6.8 -152.075,-6.8 -151.625,-6.8 -151.625,-6.8 -151.175,-6.8 -151.175,-6.8 -150.725,-6.8 -150.725,-6.8 -150.275,-6.8 -150.275,-6.8 -149.825,-6.8 -149.825,-6.8 -149.375,-6.8 -149.375,-6.8 -148.925,-6.8 -148.925,-6.8 -148.475,-6.8 -148.475,-6.8 -148.025,-6.8 -148.025,-6.8 -147.575,-6.8 -147.575,-6.8 -189.2,-6.35 -189.2,-6.35 -188.75,-6.35 -188.75,-6.35 -188.3,-6.35 -188.3,-6.35 -186.95,-6.35 -186.95,-6.35 -186.5,-6.35 -186.5,-6.35 -186.05,-6.35 -186.05,-6.35 -185.6,-6.35 -185.6,-6.35 -175.25,-6.35 -175.25,-6.35 -174.8,-6.35 -174.8,-6.35 -174.35,-6.35 -174.35,-6.35 -173.9,-6.35 -173.9,-6.35 -173.45,-6.35 -173.45,-6.35 -173,-6.35 -173,-6.35 -172.55,-6.35 -172.55,-6.35 -172.1,-6.35 -172.1,-6.35 -171.65,-6.35 -171.65,-6.35 -171.2,-6.35 -171.2,-6.35 -170.75,-6.35 -170.75,-6.35 -170.3,-6.35 -170.3,-6.35 -169.85,-6.35 -169.85,-6.35 -169.4,-6.35 -169.4,-6.35 -167.6,-6.35 -167.6,-6.35 -167.15,-6.35 -167.15,-6.35 -166.7,-6.35 -166.7,-6.35 -166.25,-6.35 -166.25,-6.35 -165.8,-6.35 -165.8,-6.35 -165.35,-6.35 -165.35,-6.35 -164.9,-6.35 -164.9,-6.35 -164.45,-6.35 -164.45,-6.35 -164,-6.35 -164,-6.35 -163.55,-6.35 -163.55,-6.35 -163.1,-6.35 -163.1,-6.35 -162.65,-6.35 -162.65,-6.35 -162.2,-6.35 -162.2,-6.35 -161.75,-6.35 -161.75,-6.35 -161.3,-6.35 -161.3,-6.35 -160.85,-6.35 -160.85,-6.35 -160.4,-6.35 -160.4,-6.35 -159.95,-6.35 -159.95,-6.35 -159.5,-6.35 -159.5,-6.35 -159.05,-6.35 -159.05,-6.35 -158.6,-6.35 -158.6,-6.35 -158.15,-6.35 -158.15,-6.35 -155.9,-6.35 -155.9,-6.35 -155,-6.35 -155,-6.35 -154.55,-6.35 -154.55,-6.35 -154.1,-6.35 -154.1,-6.35 -153.65,-6.35 -153.65,-6.35 -153.2,-6.35 -153.2,-6.35 -152.75,-6.35 -152.75,-6.35 -152.3,-6.35 -152.3,-6.35 -151.85,-6.35 -151.85,-6.35 -151.4,-6.35 -151.4,-6.35 -150.95,-6.35 -150.95,-6.35 -150.5,-6.35 -150.5,-6.35 -150.05,-6.35 -150.05,-6.35 -149.6,-6.35 -149.6,-6.35 -149.15,-6.35 -149.15,-6.35 -148.7,-6.35 -148.7,-6.35 -148.25,-6.35 -148.25,-6.35 -147.8,-6.35 -147.8,-6.35 -147.35,-6.35 -147.35,-6.35 -186.275,-5.9 -186.275,-5.9 -185.825,-5.9 -185.825,-5.9 -185.375,-5.9 -185.375,-5.9 -175.475,-5.9 -175.475,-5.9 -175.025,-5.9 -175.025,-5.9 -174.575,-5.9 -174.575,-5.9 -174.125,-5.9 -174.125,-5.9 -173.675,-5.9 -173.675,-5.9 -173.225,-5.9 -173.225,-5.9 -172.775,-5.9 -172.775,-5.9 -172.325,-5.9 -172.325,-5.9 -171.875,-5.9 -171.875,-5.9 -171.425,-5.9 -171.425,-5.9 -170.975,-5.9 -170.975,-5.9 -170.525,-5.9 -170.525,-5.9 -170.075,-5.9 -170.075,-5.9 -169.625,-5.9 -169.625,-5.9 -169.175,-5.9 -169.175,-5.9 -167.375,-5.9 -167.375,-5.9 -166.925,-5.9 -166.925,-5.9 -166.475,-5.9 -166.475,-5.9 -166.025,-5.9 -166.025,-5.9 -165.575,-5.9 -165.575,-5.9 -165.125,-5.9 -165.125,-5.9 -164.675,-5.9 -164.675,-5.9 -164.225,-5.9 -164.225,-5.9 -163.775,-5.9 -163.775,-5.9 -163.325,-5.9 -163.325,-5.9 -162.875,-5.9 -162.875,-5.9 -162.425,-5.9 -162.425,-5.9 -161.975,-5.9 -161.975,-5.9 -161.525,-5.9 -161.525,-5.9 -161.075,-5.9 -161.075,-5.9 -160.625,-5.9 -160.625,-5.9 -160.175,-5.9 -160.175,-5.9 -159.725,-5.9 -159.725,-5.9 -159.275,-5.9 -159.275,-5.9 -158.825,-5.9 -158.825,-5.9 -158.375,-5.9 -158.375,-5.9 -157.925,-5.9 -157.925,-5.9 -157.025,-5.9 -157.025,-5.9 -154.775,-5.9 -154.775,-5.9 -154.325,-5.9 -154.325,-5.9 -153.875,-5.9 -153.875,-5.9 -153.425,-5.9 -153.425,-5.9 -152.975,-5.9 -152.975,-5.9 -152.525,-5.9 -152.525,-5.9 -152.075,-5.9 -152.075,-5.9 -151.625,-5.9 -151.625,-5.9 -151.175,-5.9 -151.175,-5.9 -150.725,-5.9 -150.725,-5.9 -150.275,-5.9 -150.275,-5.9 -149.825,-5.9 -149.825,-5.9 -149.375,-5.9 -149.375,-5.9 -148.925,-5.9 -148.925,-5.9 -148.475,-5.9 -148.475,-5.9 -148.025,-5.9 -148.025,-5.9 -147.575,-5.9 -147.575,-5.9 -189.2,-5.45 -189.2,-5.45 -186.05,-5.45 -186.05,-5.45 -185.6,-5.45 -185.6,-5.45 -175.25,-5.45 -175.25,-5.45 -174.8,-5.45 -174.8,-5.45 -174.35,-5.45 -174.35,-5.45 -173.9,-5.45 -173.9,-5.45 -173.45,-5.45 -173.45,-5.45 -173,-5.45 -173,-5.45 -172.55,-5.45 -172.55,-5.45 -172.1,-5.45 -172.1,-5.45 -171.65,-5.45 -171.65,-5.45 -171.2,-5.45 -171.2,-5.45 -170.75,-5.45 -170.75,-5.45 -170.3,-5.45 -170.3,-5.45 -169.85,-5.45 -169.85,-5.45 -167.6,-5.45 -167.6,-5.45 -167.15,-5.45 -167.15,-5.45 -166.7,-5.45 -166.7,-5.45 -166.25,-5.45 -166.25,-5.45 -165.8,-5.45 -165.8,-5.45 -165.35,-5.45 -165.35,-5.45 -164.9,-5.45 -164.9,-5.45 -164.45,-5.45 -164.45,-5.45 -164,-5.45 -164,-5.45 -163.55,-5.45 -163.55,-5.45 -163.1,-5.45 -163.1,-5.45 -162.65,-5.45 -162.65,-5.45 -162.2,-5.45 -162.2,-5.45 -161.75,-5.45 -161.75,-5.45 -161.3,-5.45 -161.3,-5.45 -160.85,-5.45 -160.85,-5.45 -160.4,-5.45 -160.4,-5.45 -159.95,-5.45 -159.95,-5.45 -159.5,-5.45 -159.5,-5.45 -159.05,-5.45 -159.05,-5.45 -158.6,-5.45 -158.6,-5.45 -158.15,-5.45 -158.15,-5.45 -155.9,-5.45 -155.9,-5.45 -155,-5.45 -155,-5.45 -154.55,-5.45 -154.55,-5.45 -154.1,-5.45 -154.1,-5.45 -153.65,-5.45 -153.65,-5.45 -153.2,-5.45 -153.2,-5.45 -152.75,-5.45 -152.75,-5.45 -152.3,-5.45 -152.3,-5.45 -151.85,-5.45 -151.85,-5.45 -151.4,-5.45 -151.4,-5.45 -150.95,-5.45 -150.95,-5.45 -150.5,-5.45 -150.5,-5.45 -150.05,-5.45 -150.05,-5.45 -149.6,-5.45 -149.6,-5.45 -149.15,-5.45 -149.15,-5.45 -148.7,-5.45 -148.7,-5.45 -148.25,-5.45 -148.25,-5.45 -147.8,-5.45 -147.8,-5.45 -147.35,-5.45 -147.35,-5.45 -186.275,-5 -186.275,-5 -185.825,-5 -185.825,-5 -185.375,-5 -185.375,-5 -175.475,-5 -175.475,-5 -175.025,-5 -175.025,-5 -174.575,-5 -174.575,-5 -174.125,-5 -174.125,-5 -170.075,-5 -170.075,-5 -167.375,-5 -167.375,-5 -166.925,-5 -166.925,-5 -166.475,-5 -166.475,-5 -166.025,-5 -166.025,-5 -165.575,-5 -165.575,-5 -165.125,-5 -165.125,-5 -164.675,-5 -164.675,-5 -164.225,-5 -164.225,-5 -163.775,-5 -163.775,-5 -163.325,-5 -163.325,-5 -162.875,-5 -162.875,-5 -162.425,-5 -162.425,-5 -161.975,-5 -161.975,-5 -161.525,-5 -161.525,-5 -161.075,-5 -161.075,-5 -160.625,-5 -160.625,-5 -160.175,-5 -160.175,-5 -159.725,-5 -159.725,-5 -159.275,-5 -159.275,-5 -158.825,-5 -158.825,-5 -158.375,-5 -158.375,-5 -157.925,-5 -157.925,-5 -157.025,-5 -157.025,-5 -154.775,-5 -154.775,-5 -154.325,-5 -154.325,-5 -153.875,-5 -153.875,-5 -153.425,-5 -153.425,-5 -152.975,-5 -152.975,-5 -152.525,-5 -152.525,-5 -152.075,-5 -152.075,-5 -151.625,-5 -151.625,-5 -151.175,-5 -151.175,-5 -150.725,-5 -150.725,-5 -150.275,-5 -150.275,-5 -149.825,-5 -149.825,-5 -149.375,-5 -149.375,-5 -148.925,-5 -148.925,-5 -148.475,-5 -148.475,-5 -148.025,-5 -148.025,-5 -147.575,-5 -147.575,-5 -189.2,-4.55 -189.2,-4.55 -186.05,-4.55 -186.05,-4.55 -185.6,-4.55 -185.6,-4.55 -175.25,-4.55 -175.25,-4.55 -174.8,-4.55 -174.8,-4.55 -168.95,-4.55 -168.95,-4.55 -167.6,-4.55 -167.6,-4.55 -167.15,-4.55 -167.15,-4.55 -166.7,-4.55 -166.7,-4.55 -166.25,-4.55 -166.25,-4.55 -165.8,-4.55 -165.8,-4.55 -165.35,-4.55 -165.35,-4.55 -164.9,-4.55 -164.9,-4.55 -164.45,-4.55 -164.45,-4.55 -164,-4.55 -164,-4.55 -163.55,-4.55 -163.55,-4.55 -163.1,-4.55 -163.1,-4.55 -162.65,-4.55 -162.65,-4.55 -162.2,-4.55 -162.2,-4.55 -161.75,-4.55 -161.75,-4.55 -161.3,-4.55 -161.3,-4.55 -160.85,-4.55 -160.85,-4.55 -160.4,-4.55 -160.4,-4.55 -159.95,-4.55 -159.95,-4.55 -159.5,-4.55 -159.5,-4.55 -159.05,-4.55 -159.05,-4.55 -158.6,-4.55 -158.6,-4.55 -158.15,-4.55 -158.15,-4.55 -155,-4.55 -155,-4.55 -154.55,-4.55 -154.55,-4.55 -154.1,-4.55 -154.1,-4.55 -153.65,-4.55 -153.65,-4.55 -153.2,-4.55 -153.2,-4.55 -152.75,-4.55 -152.75,-4.55 -152.3,-4.55 -152.3,-4.55 -151.85,-4.55 -151.85,-4.55 -151.4,-4.55 -151.4,-4.55 -150.95,-4.55 -150.95,-4.55 -150.5,-4.55 -150.5,-4.55 -150.05,-4.55 -150.05,-4.55 -149.6,-4.55 -149.6,-4.55 -149.15,-4.55 -149.15,-4.55 -148.7,-4.55 -148.7,-4.55 -148.25,-4.55 -148.25,-4.55 -147.8,-4.55 -147.8,-4.55 -147.35,-4.55 -147.35,-4.55 -188.975,-4.1 -188.975,-4.1 -188.525,-4.1 -188.525,-4.1 -188.075,-4.1 -188.075,-4.1 -187.625,-4.1 -187.625,-4.1 -185.825,-4.1 -185.825,-4.1 -185.375,-4.1 -185.375,-4.1 -175.475,-4.1 -169.175,-4.1 -169.175,-4.1 -168.725,-4.1 -168.725,-4.1 -167.375,-4.1 -167.375,-4.1 -166.925,-4.1 -166.925,-4.1 -166.475,-4.1 -166.475,-4.1 -166.025,-4.1 -166.025,-4.1 -165.575,-4.1 -165.575,-4.1 -165.125,-4.1 -165.125,-4.1 -164.675,-4.1 -164.675,-4.1 -164.225,-4.1 -164.225,-4.1 -163.775,-4.1 -163.775,-4.1 -163.325,-4.1 -163.325,-4.1 -162.875,-4.1 -162.875,-4.1 -162.425,-4.1 -162.425,-4.1 -161.975,-4.1 -161.975,-4.1 -161.525,-4.1 -161.525,-4.1 -161.075,-4.1 -160.625,-4.1 -160.175,-4.1 -159.725,-4.1 -159.275,-4.1 -158.825,-4.1 -158.375,-4.1 -157.925,-4.1 -157.025,-4.1 -155.675,-4.1 -155.225,-4.1 -154.775,-4.1 -154.325,-4.1 -153.875,-4.1 -153.425,-4.1 -152.975,-4.1 -152.525,-4.1 -152.075,-4.1 -152.075,-4.1 -151.625,-4.1 -151.625,-4.1 -151.175,-4.1 -151.175,-4.1 -150.725,-4.1 -150.725,-4.1 -150.275,-4.1 -150.275,-4.1 -149.825,-4.1 -149.825,-4.1 -149.375,-4.1 -149.375,-4.1 -148.925,-4.1 -148.925,-4.1 -148.475,-4.1 -148.475,-4.1 -148.025,-4.1 -148.025,-4.1 -147.575,-4.1 -147.575,-4.1